# Allegro board RK_EVB7_RK3588_LP4XD200P232SD8_V11_20230111YWQ.brd (continued)
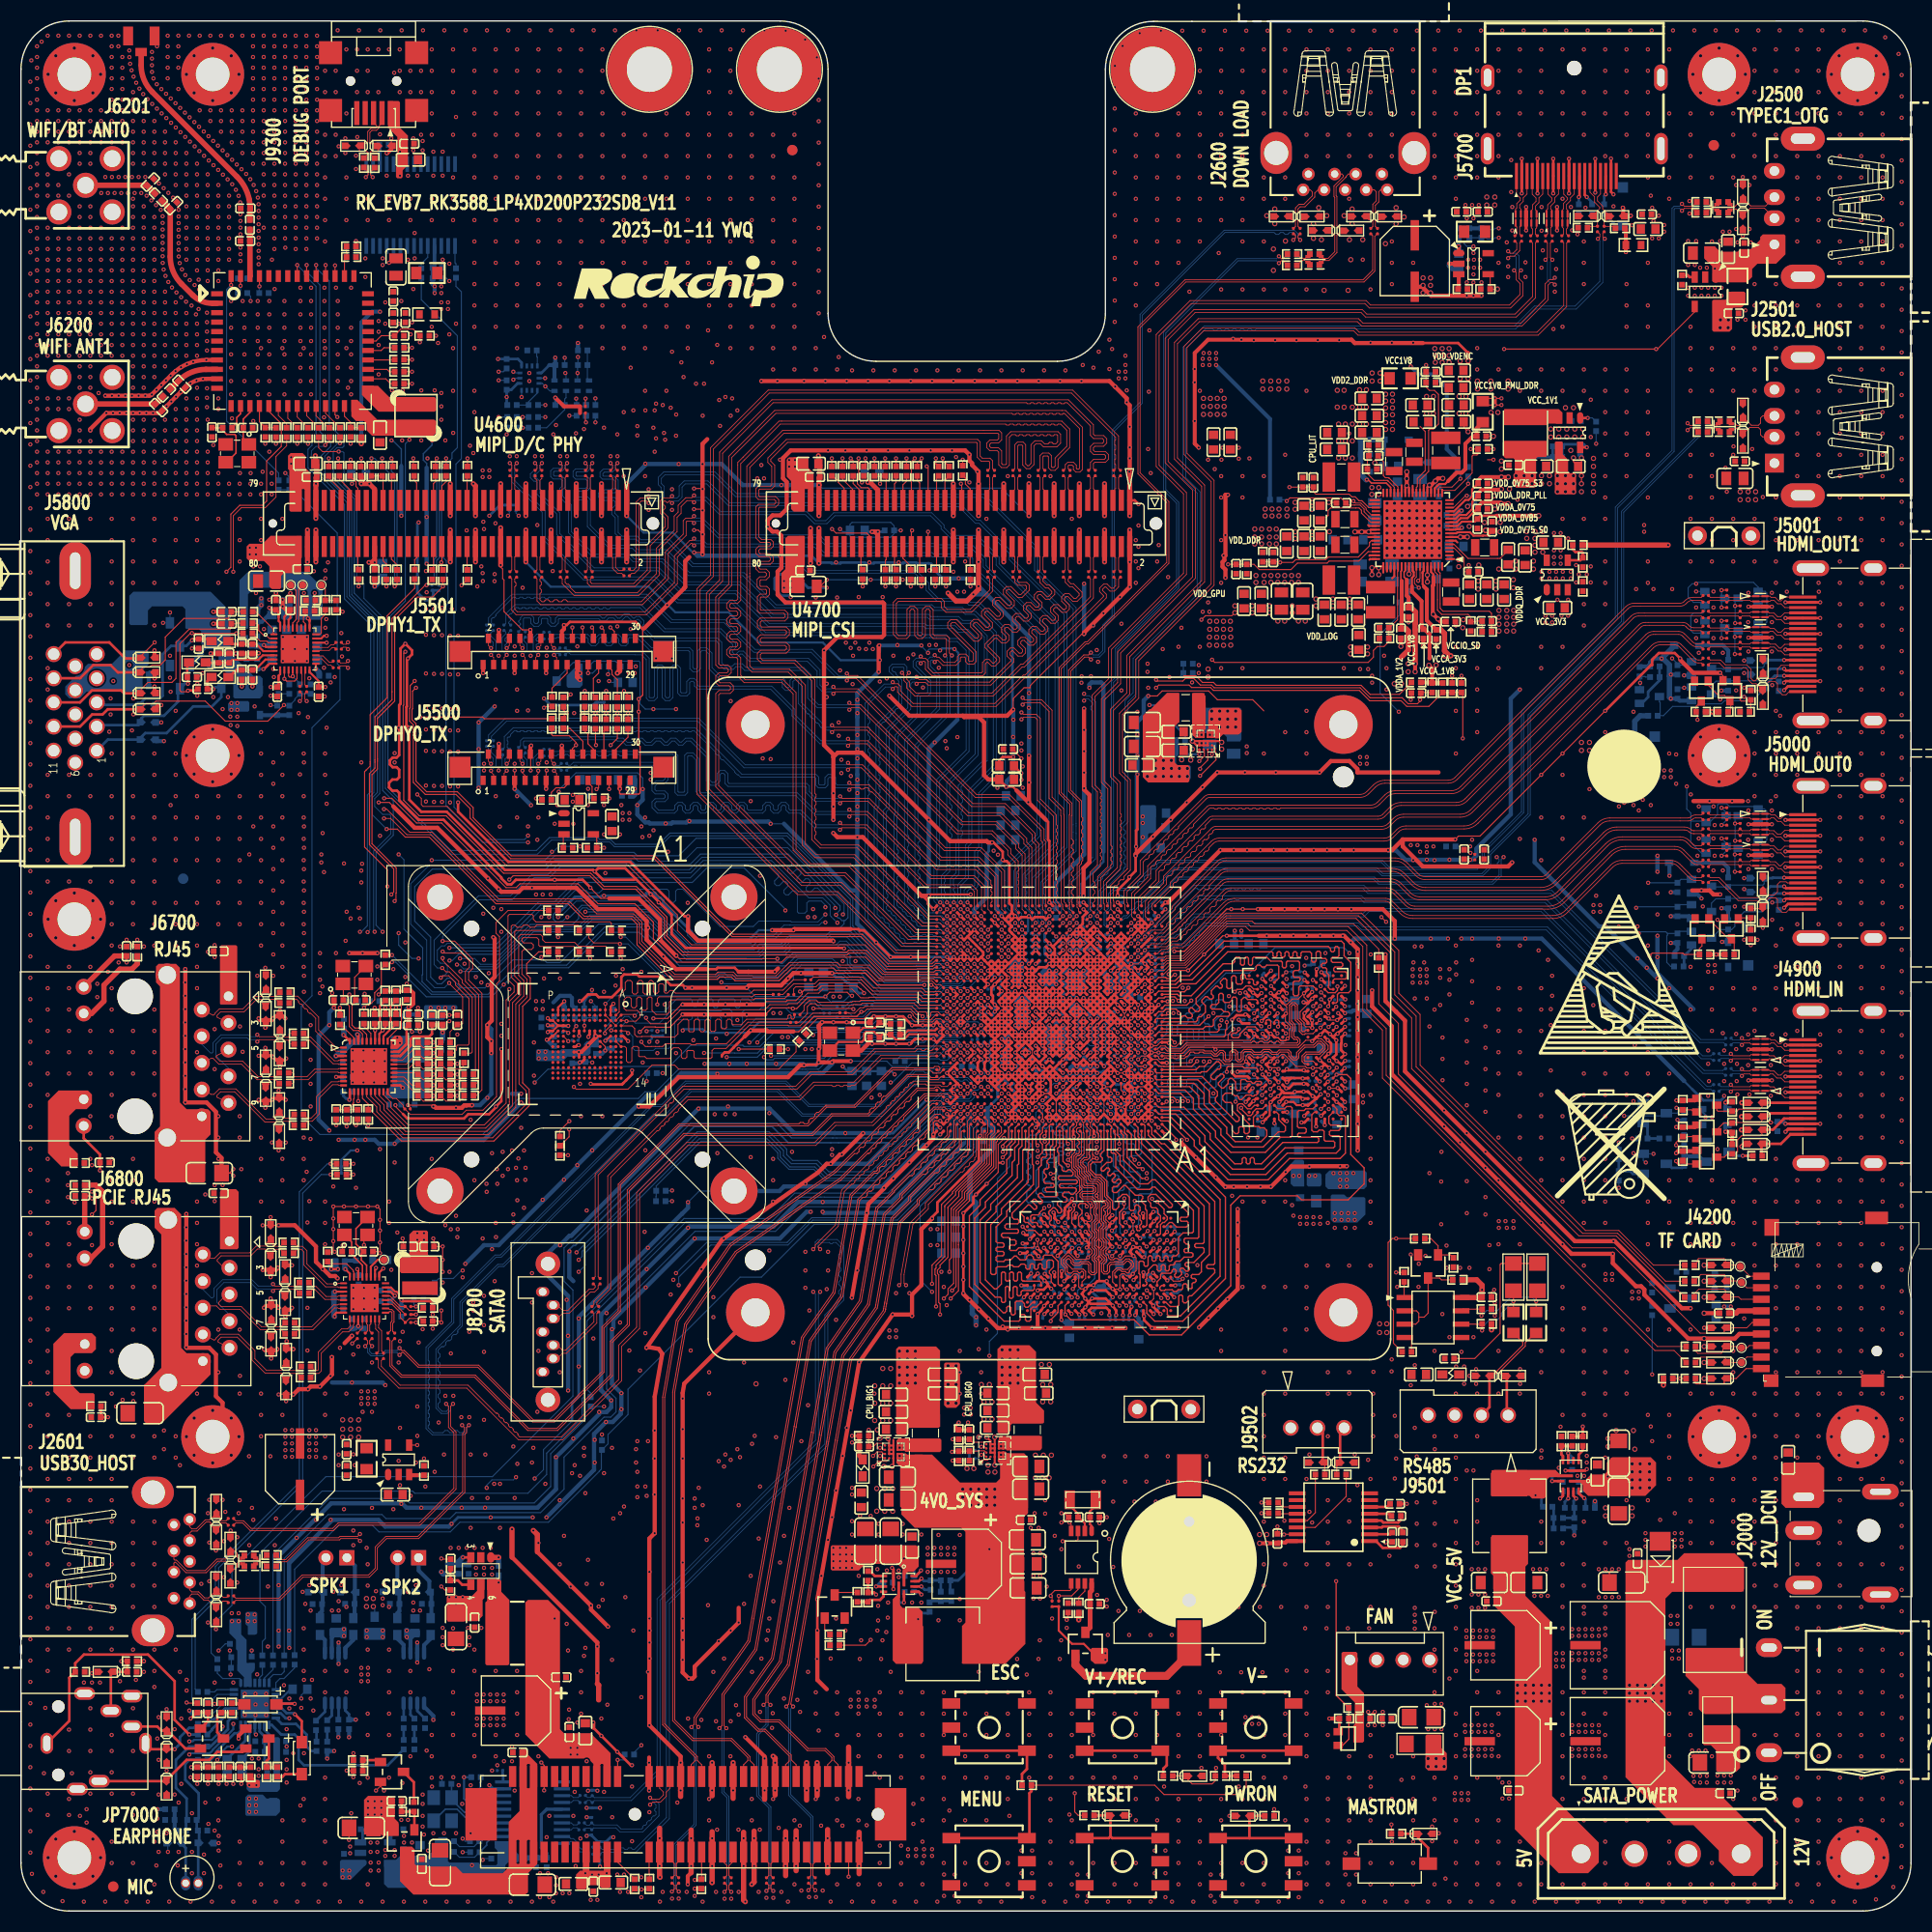
[diagram p0: board, top side]
## Routing (per net, layer and track width the routed paths; a pad name or vN(x,y) marks a point on that pad's centre or on a via; arc(x,y) is an arc through that point) (continued)
  TOP w0.508: 71.82,11.05 v1(71.82,11.48) U8100.A24 v1(71.82,14.13) 71.82,14.54 v1(71.63,14.73) ; 68.82,7.5 v1(68.82,6.93) U8100.B21 v1(68.82,4.28) 68.82,1.05 v1(68.98,0.89) ; 73.82,3.84 v1(73.82,4.28) U8100.B26 v1(73.82,6.93) 73.82,7.65 ; 65.82,7.54 v1(65.82,6.93) U8100.B18 v1(65.82,4.28) 65.82,2.72 v1(65.81,2.71) ; 60.82,7.88 v1(60.82,6.93) U8100.B13 v1(60.82,4.28) 60.82,3.25 v1(60.86,3.22) ; 72.82,7.56 v1(72.82,6.93) U8100.B25 v1(72.82,4.28) 72.82,3.37 ; v1(70.82,14.52) U8100.A23 v1(70.82,11.48) 70.82,10.63 ; 79.82,3.56 v1(79.82,4.28) U8100.B32 v1(79.82,6.93) 79.82,7.49 ; J5501.27 57.01,118.11 v1(56.79,117.9) ; 55.02,20.11 55.02,21.5 54.89,21.63 ; 49.17,34.2 49.17,35.85 v1(48.79,36.24) ; 75.82,10.99 v1(75.82,11.48) U8100.A28 v1(75.82,14.13) ; 74.82,10.57 v1(74.82,11.48) U8100.A27 v1(74.82,14.13) ; ED4902.2 v1(163.86,75.66) ; ED4903.2 v1(163.86,74.39) ; 78.82,15.61 v1(78.82,14.13) U8100.A31 v1(78.82,11.48) 78.82,10.89 ; 76.82,7.75 v1(76.82,6.93) U8100.B29 v1(76.82,4.28) 76.82,3.64 ; v1(62.82,14.13) U8100.A15 v1(62.82,11.48) 62.82,10.91 ; v1(67.82,14.13) U8100.A20 v1(67.82,11.48) 67.82,10.73 ; v1(46.76,36.36) 46.76,33.7 ; 65.82,10.97 v1(65.82,11.48) U8100.A18 v1(65.82,14.13) ; 69.82,7.61 v1(69.82,6.93) U8100.B22 v1(69.82,4.28) 69.82,2.76 v1(69.6,2.54) ; 63.82,7.7 v1(63.82,6.93) U8100.B16 v1(63.82,4.28) 63.82,3.64 ; v1(163.88,76.98) ED4901.2
  L2-GND1 w0.086: v1(115.47,83.99) 114.96,83.99 114.96,84.01 114.5,84.48 114.5,84.48 114.33,84.65 v1(114.33,84.83)
  L2-GND1 w0.089: 110.77,78.02 110.64,77.89 v1(110.64,77.13) 110.64,76.75 ; 126.54,82.46 v1(126.14,82.46)
  L2-GND1 w0.104: v1(127.3,82.59) 127.28,82.59 127.15,82.46 126.54,82.46 ; v1(127.3,82.59) v1(127.3,81.32) v1(127.3,80.05) v1(127.3,76.24) v1(127.3,74.97) v1(127.3,73.7) v1(127.3,72.43) 127.28,72.4 127.28,71.67 126.52,70.91 126.29,70.91 v1(126.26,70.93) v1(125.63,70.93) 125.53,71.03 122.83,71.03 v1(122.71,70.91) 120.98,70.91 v1(120.45,70.37) 119.06,68.98 v1(119.02,68.98) v1(118.04,68.98) v1(116.77,68.98) v1(115.5,68.98) 114.72,68.98 v1(114.7,68.96) 114.7,68.75 v1(115.34,68.11) 115.87,67.58 v1(115.87,66.84) v1(115.87,65.57) v1(115.87,64.3) v1(115.87,63.03) v1(115.87,61.76) v1(115.87,60.49) 115.87,59.22 115.82,59.17 115.8,59.17 v1(114.9,58.27) v1(114,57.37) v1(113.1,56.47) v1(112.2,55.58) 112.17,55.54 110.29,55.54 v1(110.26,55.51) v1(108.99,55.51) v1(107.72,55.51) 107.7,55.54 106.48,55.54 106.45,55.51 v1(105.18,55.51) v1(103.91,55.51) v1(102.64,55.51) v1(101.37,55.51) v1(98.83,55.51) v1(97.56,55.51) v1(96.29,55.51) ; v1(127.3,82.59) v1(127.3,83.86) v1(127.3,85.13) v1(127.3,86.4) v1(127.3,87.67) v1(127.3,88.94) v1(127.3,90.21) v1(127.3,91.35) 127.3,91.58 v1(126.64,92.24) 126.01,92.88 v1(125.88,92.88) v1(124.99,92.88) v1(123.72,92.88) v1(122.45,92.88) v1(121.18,92.88) v1(119.91,92.88) v1(118.64,92.88) v1(114.83,92.88) ; 93.62,55.54 v1(93.5,55.67) 92.86,55.67 v1(92.13,56.4) v1(91.23,57.3) v1(90.33,58.2) 89.76,58.77 89.76,58.83 v1(89.75,58.84) v1(89.75,60.11) v1(89.75,61.38) v1(89.75,62.65) v1(89.75,63.92) v1(89.75,65.19) v1(89.75,66.46) 89.76,66.47 89.76,67.05 v1(90.96,68.24) v1(91.97,69.26) ; 110.64,76.62 110.64,76.75 ; 34.44,75.37 35.94,75.37 35.94,75.37 36.31,75.73 36.31,76.97 36.53,76.75 v1(36.86,76.75)
  L3-POWER1 w0.102: 32.89,66.59 32.89,68.17 33.3,68.58 33.3,74.27 33.55,74.53 33.55,75.14 32.78,75.91 32.06,75.91 30.55,75.91 30.35,76.11 30.17,76.11 29.24,77.05 29.24,77.22 29.21,77.25 29.21,77.72 29.24,77.74 29.24,84.12 29.49,84.37 ; 59.96,114.47 59.96,130.48 58.86,131.58 58.86,132.53 59.36,133.04 59.21,133.2 59.21,134.89 59.72,135.4 v1(59.77,135.4) ; v1(42.95,76.75) 42.95,78.34 42.95,78.34 42.95,84.3 42.95,84.31 42.95,86.66 42.32,87.29 42.32,90.87 40.35,92.84 39.96,92.84 39.88,92.75 39.3,92.75 36.98,95.07 36.98,100.78 39.33,103.13 v1(39.33,105.63) ; 30,88.31 29.62,87.92 29.62,87.44 v1(29.64,87.42) ; v1(31.39,139.74) 31.39,138.88 30.93,138.41 30.93,138.02 30.76,137.86 30.76,128.99 32.79,126.96 32.79,111.25 33.32,110.72 33.32,108.67 32.53,107.88 32.53,104.83 30.76,103.06 30.76,100.85 v1(28.86,98.94) ; v1(38.63,128.31) 39.04,127.91 39.04,126.54 39.1,126.47 39.1,126.08 38.66,125.64 ; 33.99,59.2 33.99,51.49 34.41,51.06 ; v1(35.97,100.62) 36.22,100.37 36.22,94.76 39.27,91.71 39.27,88.53 41.02,86.78 41.33,86.78 41.43,86.78 42.19,86.02 42.19,83.99 42.19,83.99 42.19,78.65
  L3-POWER1 w0.104: v1(41.43,66.21) 39.9,67.73 U4000.HOLE4 ; 135.15,89.71 v1(135.16,89.7) ; v1(38.63,125.59) 38.63,125.62 38.66,125.64 ; 45.85,71.92 45.87,71.94 v1(45.87,72.3) ; 59.08,115.61 58.89,115.43 v1(58.83,115.43) ; 36.88,135.65 35.71,134.48 35.71,127.13 36.36,126.47 36.36,125.83 35.49,124.96 35.49,112.52 36.71,111.31 36.71,102.87 33.96,100.12 33.96,99.93 ; v1(49.61,138.55) v1(48.96,138.55) v1(47.21,138.55) v1(46.56,138.55) ; J9900.3 71.4,111.55 v1(71.4,109.71) ; 71.78,86.02 72.47,86.02 72.8,85.69 72.8,85.26 ; v1(33.05,67.1) 33.05,66.74 32.89,66.59 ; J9900.4 69.94,50.27 v2(70,50.21) ; v1(44.09,90.59) 44.55,90.13 v1(44.55,89.32) ; U4000.HOLE2 67.9,70.33 69.37,71.8 v1(69.49,71.8) ; 59.08,114.47 v1(58.83,114.21) ; 83.21,119.67 v1(83.08,119.55) ; v1(45.6,103.28) 45.62,103.28 45.62,103.04 46,102.66 46,96.82 46.13,96.69 46.13,96.02 46.13,96.02 46.13,91.35 46.51,90.98 v1(46.51,87.8) ; v1(45.68,132.88) v1(45.68,135.93) 45.87,135.93 ; 26.68,132.52 27.33,133.17 27.33,139.11 26.82,139.61 26.82,139.99 26.31,140.5 24.03,140.5 v1(23.27,139.74) ; v1(74.7,59.35) 74.83,59.35 74.96,59.48 76.48,59.48 v1(76.73,59.22) ; v1(48.29,103.29) 48.92,102.66 49.43,102.66 52.04,100.05 v1(52.04,94.66) ; U4000.HOLE3 39.9,99.29 v1(39.12,100.08) ; v1(47.64,74.59) 47.55,74.59 ; 59.96,114.47 v1(60.22,114.47) ; v1(34.06,146.34) v1(34.06,149.14) v1(34.06,150.41) ; v1(42.1,123.99) 42.1,123.99 ; 42.32,89.83 42.24,89.9 v1(42.24,90.21) ; 59.02,76.43 v1(58.83,76.62)
  L3-POWER1 w0.127: 61.41,86.62 60.48,87.54 60.48,90.46 59.84,91.1 59.84,101.26 60.74,102.16 60.74,105.31 v1(59.21,106.85) ; 61.4,88.02 61.4,90.62 61.18,90.85 v1(61.18,90.91)
  L3-POWER1 w0.203: 62.38,79.8 62.38,81.7 v1(62.38,81.7) ; 37.74,58.33 37.74,58.2 37.55,58 37.44,58 37.19,57.75 37.19,56.23 37.19,56.23 37.19,55.87 37.44,55.62 38.05,55.62 v1(38.25,55.41) ; v1(36.35,55.16) 36.35,57.74 36.38,57.78 36.4,57.78 36.65,58.03 36.65,58.04 37.08,58.48 37.08,59.76 35.97,60.87
  L3-POWER1 w0.254: 40.96,137.14 42.07,138.25 42.07,138.53 42.39,138.85 v1(43.08,138.85) ; 60.22,136.51 59.77,136.06 v1(59.77,135.4) ; v1(31.6,78.91) 31.39,78.91 30.63,78.15 30.63,77.13 31.14,76.62 31.88,76.62 31.9,76.6 32.34,76.6 32.36,76.62 33.05,76.62 34.35,75.31 34.35,74.35 34.19,74.19 v1(34.19,72.56) ; v1(32.41,138.34) 32.41,136.95 31.78,136.31 31.78,128.95 33.68,127.04 v1(33.68,126.15)
  L3-POWER1 w0.406: 46.76,72.43 46.76,77.13 45.75,78.15 v1(45.75,82.08) ; 46.76,72.43 v1(46.76,72.43) ; 46.76,72.43 46.76,71.78 46.74,71.76 46.74,71.18 v1(47.14,70.78) 47.26,70.78 47.9,71.43 v1(47.9,72.43) 47.9,74.23 47.55,74.59 47.55,76.91 v1(47.63,77) v1(47.63,77.83) 46.64,78.83 46.64,84.69 45.98,85.35 v1(45.98,88.22) 46.13,88.37 46.13,90.82 45.75,91.2 v1(45.75,93.26) 45.75,95.86 45.49,96.12 v1(45.49,97.32) 45.49,101.71 v1(41.62,105.58) v1(41.62,107.1) v1(41.62,110.4) v1(41.62,112.44) v1(41.62,114.47) v1(41.62,117.77) v1(41.62,121.45) 41.62,123.51 43.46,125.35 v1(43.46,126.15) 43.46,126.91 43.97,127.42 v1(43.97,127.42) ; v1(34.06,146.34) 34.06,143.42 31.39,140.76 v1(31.39,139.74) ; 34.63,59.85 35.38,59.85 35.97,60.44 35.97,60.87 35.8,61.04 35.8,61.28 34.43,62.65 v1(34.19,62.65) ; 34.63,59.85 34.18,59.85 v1(33.68,59.35) ; 34.63,59.85 33.68,58.9 v1(33.68,58.33) v1(33.68,57.32) ; 34.7,50.46 34.41,50.74 34.41,51.06 34.7,50.78 34.7,50.46 ; 34.7,50.46 v1(34.7,50.08) 34.7,38.39 ; v1(34.65,78.91) v1(34.65,79.92) v1(34.65,80.94) v1(34.65,81.96) ; 40.88,135.89 v1(40.88,132.88) v1(40.88,131.53) v1(40.88,128.48) 40.88,127.34 40.71,127.17 40.71,125.85 39.33,124.47 v1(39.33,123.99) v1(39.33,121.5) v1(39.33,117.82) v1(39.33,114.52) v1(39.33,112.49) v1(39.33,110.45) v1(39.33,107.15) v1(39.33,105.63) ; 40.88,135.89 v1(40.88,135.93) ; 40.88,135.89 41.14,135.89 43.08,137.84 v1(43.08,138.85) ; 43.97,90.59 44.02,90.65 v1(44.02,92.62) v1(44.02,94.98) 43.46,95.54 43.46,101.2 40.1,104.56 v1(40.1,105.63) v1(40.1,107.15) v1(40.1,110.45) v1(40.1,112.49) v1(40.1,114.52) v1(40.1,117.82) v1(40.1,121.5) 40.1,124.11 v1(40.11,124.12) 40.11,124.16 41.57,125.63 41.57,125.77 ; 43.97,90.59 v1(44.09,90.59) ; 43.97,90.59 44.45,90.11 v1(44.45,88.18) 44.45,85.87 43.9,85.32 43.9,77.95 v1(44.41,77.45) v1(45.24,76.62) 45.85,76.01 45.85,70.43 45.87,70.41 v1(45.87,70.02) 46.25,69.64 ; v1(59.97,107.76) 60.29,107.76 60.7,108.17 60.7,109.04 59.96,109.78 59.96,114.47 ; v1(33.68,126.15) 33.68,111.62 34.21,111.09 34.21,108.3 33.42,107.51 33.42,104.46 31.53,102.56 31.53,100.53 v1(30.76,99.77) 29.74,98.75 29.74,92.75 v1(31.27,91.23) 30.89,90.85 30.89,88.18 ; v1(42.95,76.75) 42.95,76.62 44.86,74.72 v1(44.86,72.18) 44.86,70.94 44.79,70.87 44.79,70.43 44.86,70.37 44.86,69.66 45.26,69.26 v1(45.36,69.26) ; 30.89,88.18 31.27,87.8 v1(31.27,87.29) ; 30.89,88.18 30.89,87.29 31.39,86.78 31.39,85 30.13,83.74 30.13,83.36 30.18,83.31 30.18,83.22 31.45,81.96 v1(31.6,81.96) v1(31.6,80.94) v1(31.6,79.92) v1(31.6,78.91) ; v1(76.86,61) 77.37,61 76.86,60.49 76.86,59.48 76.73,59.35 v1(76.73,59.22) ; v1(28.86,98.94) 28.86,92.37 v1(30,91.23) 30,86.92 30.38,86.54 ; 26.95,125.26 v1(26.95,125.52) 26.95,126.88 26.44,127.39 26.44,132.28 26.68,132.52 ; v1(132.74,26.9) 133.56,26.9 134.65,27.98 v1(134.65,28.49) v1(134.65,32.82) v1(134.65,34.85) v1(134.65,36.88) v1(134.65,38.91) v1(134.65,40.95) v1(134.65,43.98) 134.65,43.98 132.74,45.89 v1(132.74,46.01) ; 59.08,114.47 59.08,130.42 58.19,131.31 58.19,132.81 58.57,133.19 58.57,140.4 v1(58.7,140.53) v1(58.7,141.42) 58.7,142.54 v1(58.32,142.92) ; 62.38,79.8 58.38,75.8 58.38,73.18 ; 30.38,86.54 v1(30.38,86.02) ; 30.38,86.54 30.5,86.41 30.5,85.38 29.49,84.37 v1(29.36,84.37) ; 43.21,90.59 43.21,91.1 40.03,94.27 40.03,96.44 U4000.HOLE3 ; 32.89,66.59 32.89,64.68 33.91,63.67 v1(34.19,63.67) ; v1(139.85,61.13) v1(139.85,63.41) 139.85,63.79 139.47,64.18 v1(139.47,66.33) v1(139.47,67.99) v1(139.47,70.78) v1(139.47,72.3) v1(139.47,76.11) v1(139.47,78.15) v1(139.47,80.18) v1(139.47,82.21) v1(139.47,84.24) 139.46,84.25 139.46,84.44 140.01,84.99 140.01,97.48 141.76,99.23 ; 37.74,58.33 37.74,61.29 37.36,61.68 36.35,62.68 36.31,62.68 v1(34.19,64.81) ; 38.66,125.64 38.66,125.49 38.57,125.4 v1(38.57,123.99) v1(38.57,121.54) v1(38.57,117.86) v1(38.57,114.56) v1(38.57,112.53) v1(38.57,110.49) v1(38.57,107.19) v1(38.57,105.67) 38.57,103.45 35.97,100.85 v1(35.97,100.62) ; 40.96,137.14 40.03,136.22 40.03,135.55 38.63,134.15 v1(38.63,132.76) ; v1(77.11,71.16) 76.35,70.4 v1(76.35,67.53) v1(76.35,66.59) ; 60.22,136.51 60.22,137.08 v1(59.46,137.84) 59.46,141.1 59.46,141.1 59.46,142.16 60.22,142.92 v1(60.35,142.92) ; v1(142.01,99.86) 142.01,100.37 141.95,100.43 141.95,100.68 141.51,101.12 140.38,101.12 139.79,100.53 139.79,99.67 138.3,98.18 138.3,98.15 138.2,98.05 v1(138.2,92.61) v1(138.2,90.58) v1(138.2,88.55) v1(138.2,86.51) 138.2,85.89 137.69,85.38 v1(137.69,84.86) v1(137.69,82.83) v1(137.69,80.8) v1(137.69,78.77) v1(137.69,76.74) v1(137.69,74.08) 137.69,73.83 v1(137.06,73.19) 137.69,72.56 v1(137.69,69.51) v1(137.69,66.46) 137.69,62.52 138.07,62.14 137.71,61.78 137.08,61.78 137.02,61.72 136.86,61.72 136.59,61.45 136.59,61.29 135.74,60.44 135.74,58.63 135.74,57.73 135.37,57.36 v1(135.37,56.85) ; v1(130.99,45.23) v1(132.93,43.29) v1(132.93,40.95) v1(132.93,38.91) v1(132.93,36.88) v1(132.93,34.85) v1(132.93,32.82) 132.74,32.63 v1(132.74,28.87) ; v1(45.75,84.5) 45.21,85.03 45.21,88.54 45.36,88.69 45.36,90.5 44.98,90.88 v1(44.98,92.73) v1(44.98,95.54) 44.45,96.08 44.45,101.48 40.86,105.07 v1(40.86,105.58) v1(40.86,107.1) v1(40.86,110.4) v1(40.86,112.44) v1(40.86,114.47) v1(40.86,117.77) v1(40.86,121.45) 40.86,123.83 v1(41.03,124.01) 42.49,125.46 42.49,130.51 43.28,131.31 v1(43.28,131.53) v1(43.28,132.88)
  L5-POWER2 w0.089: v1(95.99,77.2) v1(97.29,78.5) ; v1(95.99,77.2) 96.33,76.86 ; v1(95.99,77.2) v1(95.34,76.55) ; v1(103.79,83.05) v1(103.79,83.7) 103.79,84.25 104.55,85 v1(105.09,85) v1(105.74,85) 105.74,85.06 106.34,85.65 v1(106.39,85.65) v1(107.04,85.65) ; v1(98.59,79.15) v1(99.24,79.15) v1(99.89,79.15) ; v1(107.04,89.55) v1(107.04,88.9) v1(106.39,88.25) 105.94,87.8 105.94,86.75 v1(106.39,86.3) ; v1(102.49,79.15) 103.79,80.45
  L6-S2 w0.086: v1(104.44,83.05) 104.77,82.73 U1000.P6 v1(105.74,82.4) ; v1(124.23,91.23) 124.23,90.97 124.87,90.34 124.87,87.03 124.74,86.9 ; 106.07,75.58 106.07,76.88 v1(105.74,77.2) 106.07,77.53 v1(106.39,77.85) 106.72,77.53 107.37,77.53 v1(107.69,77.2) ; 106.07,75.58 U1000.C5 v1(106.39,75.25) ; 106.07,75.58 v1(105.74,75.25) ; 112.04,71.92 v1(111.89,71.77) ; v1(103.14,78.5) 102.91,78.27 102.72,78.27 102.63,78.18 102.36,78.18 102.27,78.27 102.13,78.27 101.9,78.5 v1(101.84,78.5) ; v1(105.74,84.35) v1(106.39,85)
  L6-S2 w0.089: 109.48,84.83 109.44,84.83 109.43,84.83 108.52,84.83 v1(107.69,85.65) ; 109.48,87.75 109.19,87.75 108.2,86.76 106.59,86.76 106.39,86.95 ; v1(106.39,85.65) v1(107.04,85.65) v1(106.39,85) ; v1(106.39,85.65) v1(106.39,86.3) 106.39,86.95 ; v1(106.39,85.65) v1(106.39,85) ; v1(104.44,83.05) v1(103.79,83.05) v1(103.79,83.7) v1(104.44,84.35) v1(105.09,84.35) ; 106.39,74.59 106.52,74.46 106.96,74.46 108.21,73.21 ; 106.39,74.59 v1(106.39,75.25) ; 106.39,74.59 105.74,75.24 v1(105.74,75.25) ; v1(107.69,75.9) 108.19,75.9 109.48,74.61 ; v1(97.29,77.85) v1(96.64,77.2) v1(95.99,77.2) v1(95.34,76.55) v1(94.69,75.9) v1(94.69,75.25) 94.69,74.77 94.27,74.35 94.27,74.27 v1(93.62,73.62) ; v1(97.29,77.85) v1(97.29,78.5) ; v1(97.29,77.85) 97.29,77.78 97.94,77.13 v1(97.94,76.55) v1(97.94,75.9) v1(97.94,75.25) 97.94,73.47 97.76,73.28 v1(97.51,73.28) ; 109.48,89.74 109.29,89.55 v1(109.29,89.22) 109,88.92 108.29,88.92 108.28,88.9 v1(107.69,88.9) v1(107.04,88.9) v1(106.39,88.25) U1000.AB5 106.07,87.17 106.28,86.95 106.39,86.95 ; 89.96,73.47 91.44,74.95 v1(91.44,75.25) ; v1(105.74,79.8) v1(104.44,79.8) v1(103.79,79.8) 103.79,78.91 ; v1(105.74,79.8) v1(105.09,79.8) ; v1(105.74,79.8) v1(105.74,80.45) v1(106.39,81.1) v1(105.74,81.75) v1(105.74,82.4) ; v1(107.69,79.15) 109.48,79.15 ; v1(104.44,76.55) 104.44,76.47 104.93,75.99 104.93,75.03 106.26,73.7 106.48,73.7 106.83,73.35 ; v1(94.04,75.9) v1(94.04,75.25) 94.01,75.22 94.01,74.75 93.37,74.11 ; v1(99.24,79.15) 98.92,78.83 98.92,78.18 v1(99.24,77.85) v1(99.24,77.2) 98.83,76.79 98.83,75.66 v1(99.24,75.25) 99.24,73.47 ; v1(99.24,79.15) v1(99.89,79.15) v1(100.54,79.15) ; v1(99.24,79.15) v1(98.59,79.15) ; 109.48,75.65 108.25,76.88 108.02,76.88 v1(107.69,77.2) ; v1(90.79,94.75) 91.19,95.15 91.19,96.28 ; v1(105.09,84.35) v1(105.74,85) v1(106.39,85) ; v1(105.09,84.35) v1(105.74,84.35) ; v1(112.67,91.1) 113.16,91.58 ; v1(96.64,75.25) 96.29,74.9 96.29,74.21 95.91,73.83 95.91,73.47 ; 103.79,78.91 104.43,78.27 105.32,78.27 v1(105.74,77.85) v1(106.39,77.85) 106.39,78.09 106.68,78.38 109.48,78.38 ; 103.79,78.91 103.39,78.5 v1(103.14,78.5) ; v1(95.34,75.25) 95.34,74.66 95.02,74.34 95.02,73.47 ; 122.5,90.77 122.89,90.77 123.84,89.82 v1(123.84,89.4) ; 88.82,73.47 89,73.47 v1(90.79,75.25) ; v1(91.34,73.83) 91.3,73.83 90.94,73.47 ; 105.42,73.47 103.86,75.02 103.86,75.25 v1(103.79,75.25) ; v1(107.69,87.6) 108.55,88.46 109.48,88.46 ; v1(107.69,84.35) 107.99,84.35 108.22,84.12 109.43,84.12 109.44,84.11 109.48,84.11
  L6-S2 w0.102: 98.48,64.31 98.09,63.92 v1(98.07,63.92) 98.07,63.95 97.71,64.3 97.41,64.3 97.05,64.66 97.05,65.08 v1(97.47,65.5) 97.47,65.79 98.21,66.52 v1(98.33,66.52) 98.33,66.6 97.94,66.99 97.94,67.12 v1(97.92,67.15) 97.84,67.22 97.79,67.22 97.69,67.33 97.69,69.31 97.92,69.54 98.1,69.54 v1(98.32,69.76) 98.55,69.99 98.55,70.47 98.29,70.74 98.29,72.47 98.07,72.68 98.07,73.34 97.94,73.47 ; 98.48,64.31 98.48,65.22 98.78,65.52 v1(98.78,65.62) 98.88,65.62 99.22,65.96 99.22,73.44 99.24,73.47 ; 98.48,64.31 99.03,64.31 v1(99.36,63.97) 99.36,63.77 98.85,63.25 98.85,63.25 98.74,63.15 v1(98.71,63.15) 98.69,63.13 98.69,63.1 97.48,61.89 96.8,61.89 ; 110.15,63.67 110.15,70.02 109.56,70.62 ; 110.15,63.67 110.03,63.54 108.86,63.54 108.48,63.16 v1(108.45,63.16) 107.82,62.52 107.34,62.52 106.71,63.15 v1(106.55,63.15) ; 110.15,63.67 110.15,62.93 108.2,60.98 108.2,59.48 107.98,59.25 v1(107.87,59.25) 107.65,59.48 106.96,59.48 106.63,59.15 v1(106.63,58.36) 106.63,58.28 106.83,58.08 107.34,58.08 107.59,58.33 108.03,58.33 108.81,59.12 108.81,60.57 110.76,62.52 110.76,70.66 108.21,73.21 ; 94.87,60.52 95.13,60.78 95.28,60.78 95.38,60.68 95.38,60.15 96.18,59.35 ; 94.87,60.52 96.04,59.35 96.18,59.35 ; 94.87,60.52 94.23,60.52 93.88,60.87 93.88,70.53 94.26,70.91 94.26,72.05 95.02,72.81 95.02,73.47 ; 94.77,63.26 94.59,63.08 94.59,62.04 94.69,61.94 94.84,61.94 95.3,62.4 95.4,62.4 ; 94.77,63.26 94.77,63.03 v1(95.15,62.65) 95.4,62.4 ; 94.77,63.26 94.64,63.39 94.64,70.4 95.02,70.78 95.02,71.8 95.91,72.68 95.91,73.47 ; 105.42,73.47 106.01,72.88 106.44,72.88 108.61,70.7 108.61,66.33 107.97,65.69 v1(107.91,65.69) ; 95.4,62.4 96.29,62.4 96.8,61.89 ; v1(56.79,122.34) 56.41,122.72 52.12,122.72 51.87,122.47 v1(51.71,122.47) ; 109.48,84.83 113.24,84.83 113.56,85.16 v1(113.56,85.51) 114.25,86.2 115.04,86.2 v1(115.09,86.15) 115.09,87.09 v1(115.04,87.14) 115.09,87.19 115.87,87.19 v1(116.1,87.42) 116.38,87.14 116.84,87.14 117.16,87.45 v1(117.34,87.45) ; v1(79.24,119.55) 79.09,119.7 68.38,119.7 63.6,124.49 61.66,124.49 v1(61.54,124.37) ; 109.48,88.46 110.03,88.46 v1(111.15,89.58) 113.16,91.58 123.88,91.58 v1(124.23,91.23) ; 96.18,59.35 96.57,59.35 v1(96.82,59.1) 97.13,58.79 97.13,58.26 97.31,58.08 98.32,58.08 98.48,58.23 98.48,58.9 v1(98.11,59.26) 98.11,59.42 v1(97.49,60.04) 97.42,60.11 96.53,60.11 96.19,60.45 v1(96.19,60.72) 96.19,61.28 96.8,61.89 ; 124.74,86.9 v1(124.64,86.8) ; 109.48,74.61 109.63,74.46 111.15,74.46 112.09,73.52 116.71,73.52 v1(116.87,73.68) v1(117.75,73.68) 122.3,73.68 122.83,74.21 122.83,74.72 123.22,75.1 123.22,76.62 123.34,76.75 124.2,76.75 124.56,76.39 v1(124.56,76.37) 125.24,77.05 v1(125.29,77.05) 124.87,77.48 124.87,78.1 v1(124.59,78.38) 124.37,78.38 v1(123.78,77.79) 123.68,77.79 123.66,77.76 123.17,77.76 v1(123.02,77.61) 122.58,77.17 122.58,75.48 122.2,75.1 v1(121.95,75.1) 121.29,74.44 117.14,74.44 116.87,74.72 111.79,74.72 111.36,75.14 109.99,75.14 109.48,75.65 ; v1(117.37,77.13) 117.09,77.41 116,77.41 v1(115.67,77.08) 115.57,77.08 115.04,77.61 114.48,77.61 114.2,77.89 113.59,77.89 v1(113.56,77.87) 113.54,77.89 113.06,77.89 112.57,78.38 109.48,78.38 ; 109.48,84.11 113.44,84.11 114.03,84.71 114.22,84.71 114.33,84.81 v1(114.33,84.83) 114.33,84.9 114.43,85 115.21,85 v1(115.34,84.88) 116.1,85.64 116.1,86.27 116.33,86.5 116.94,86.5 117.25,86.2 v1(117.3,86.2) ; 106.83,73.35 109.56,70.62 ; 109.56,70.62 109.56,66.14 108.48,65.06 108.48,64.73 108.56,64.73 108.97,64.33 109.5,64.33 v1(109.87,64.7) ; 109.48,87.75 109.51,87.77 110.49,87.77 v1(110.64,87.92) 113.67,90.95 122.22,90.95 v1(122.4,90.77) 122.5,90.77 ; v1(117.29,78.35) 116.96,78.02 116.5,78.02 116.12,78.4 v1(115.21,78.4) 115.21,78.78 114.84,79.15 109.48,79.15 ; v1(77.88,111.93) 78.38,112.44 78.93,112.44 79.36,112 v1(79.65,112) ; v1(111.89,71.77) 111.94,71.77 112.04,71.67 v1(112.04,61.51) ; v1(81.79,117.09) 81.79,116.69 82.7,115.78 v1(82.7,115.74) 83.21,115.74 83.26,115.68 87.09,115.68 89.37,117.96
  L6-S2 w0.104: v1(77.24,89.32) v1(74.28,89.32) 74.15,89.19 73.43,89.19 v1(73.05,88.81) ; v1(127.3,74.97) 124.38,72.05 112.17,72.05 112.04,71.92 ; v1(127.3,74.97) v1(127.3,73.7) v1(127.3,72.43) ; v1(127.3,74.97) v1(127.3,76.24) v1(127.3,80.05) v1(127.3,81.32) v1(127.3,82.59) v1(127.3,83.86) v1(127.3,85.13) v1(127.3,86.4) v1(127.3,87.67) v1(127.3,88.94) v1(127.3,90.21) v1(127.3,91.35) 127.28,91.35 126.64,91.99 v1(126.64,92.24) 126.39,92.24 125.88,92.75 v1(125.88,92.88) v1(124.99,92.88) v1(123.72,92.88) v1(122.45,92.88) v1(121.18,92.88) v1(119.91,92.88) v1(118.64,92.88) v1(114.83,92.88) 112.93,92.88 110.26,90.21 109.99,90.21 109.66,89.89 109.62,89.89 109.48,89.74 ; v1(23.88,136.95) 24.84,137.91 24.84,139.68 28.03,142.87 40.98,142.87 41.74,143.63 48.79,143.63 49.31,143.1 49.31,142.37 50.16,141.52 v1(50.95,141.52) 53.24,141.52 v1(53.62,141.14) 54.59,141.14 54.76,140.96 55.22,140.96 ; 52.86,140.76 53.11,140.5 56.67,140.5 v1(56.79,140.63) 58.6,140.63 v1(58.7,140.53) 58.98,140.25 v1(60.48,140.25) 60.48,140.54 61.08,141.15 62.76,141.15 63.27,140.63 66.19,140.63 66.22,140.6 87.31,140.6 88.67,139.23 v1(88.67,139.11) ; 52.86,140.76 v1(52.86,140.74) ; 52.86,140.76 52.73,140.63 v1(50.7,140.63) 50.39,140.63 47.92,143.1 41.87,143.1 41.17,142.41 33.05,142.41 31.01,140.38 26.41,140.38 25.35,139.31 25.35,137.68 25.57,137.46 26.89,137.46 v1(28.03,138.6) ; v1(67.59,142.41) 67.93,142.06 67.93,142.03 ; v1(26.44,114.09) 26.13,114.09 26.06,114.15 25.74,114.15 25.55,114.34 25.55,115.23 26.44,116.12 29.24,116.12 29.87,116.75 29.87,117.52 v1(29.88,117.52) ; v1(50.06,109.39) v1(50.06,108.63) ; 90.94,73.47 90.78,73.31 ; 55.22,140.96 v1(55.52,141.26) 55.61,141.35 55.97,141.35 ; 55.22,140.96 55.59,140.96 55.97,141.35 ; 53.61,86.65 v1(53.21,86.65) ; 53.61,86.65 53.62,86.65 54.07,87.11 54.47,87.11 54.73,86.84 54.73,86.68 55.47,85.94 56.5,85.94 56.86,86.3 59.69,86.3 60.22,85.77 v1(60.22,85) 59.83,84.61 59.34,84.61 58.91,85.05 58.91,85.45 58.64,85.71 57.38,85.71 57.02,85.36 54.91,85.36 53.61,86.65 ; 50.7,67.69 49.72,67.69 v1(49.68,67.73) ; v1(62.4,142.52) 62.38,142.52 62.38,142.53 ; 52.98,70.78 v1(52.98,71.03) ; 55.97,141.35 58.06,141.35 58.14,141.42 v1(58.7,141.42) 59.14,141.42 59.21,141.35 60.14,141.35 ; v1(113.06,138.22) 111.4,138.22 110.52,137.33 105.44,137.33 ; 67.93,142.03 67.36,142.6 66.72,142.6 65.96,142.6 65.68,142.88 62.73,142.88 62.38,142.53 ; 67.93,142.03 90.64,142.03 v1(96.01,136.65) ; v1(112.04,61.51) 112.04,59.1 110.26,57.32 108.99,57.32 v1(108.52,56.85) ; 49.04,38.4 v1(44.19,38.4) v1(41.96,38.4) v1(38.13,38.4) 36.59,38.4 v1(36.22,38.78) ; v1(53.87,66.72) 54.13,66.97 54.13,67.69 ; 87.66,72.3 88.82,73.47 ; v1(90.32,138.7) 90.32,138.85 88.11,141.06 66.42,141.06 66.34,141.14 63.42,141.14 62.93,141.62 60.9,141.62 60.89,141.61 60.41,141.61 60.14,141.35 ; 82.58,27.48 82.55,27.5 v1(82.55,27.94) ; v1(30.51,121.71) 31.78,121.71 35.66,125.59 v1(38.63,125.59) 42.01,125.59 42.57,126.15 v1(43.46,126.15) 43.59,126.02 v1(47.78,126.02) 48.16,126.02 48.41,126.28 57.81,126.28 58.74,125.35 59.85,125.35 60.06,125.14 60.83,124.37 v1(61.54,124.37) ; 60.14,141.35 v1(60.22,141.26) ; v1(75.99,128.36) v1(75.19,128.36) 72.71,128.36 70.73,126.37 62.85,126.37 62.71,126.51 59.66,126.51 v1(57.68,128.48) ; 62.38,142.53 62.26,142.41 60.71,142.41 60.6,142.31 58.8,142.31 58.32,142.79 v1(58.32,142.92) ; v1(74.7,69.26) 74.8,69.26 ; 89.96,73.47 89.94,73.45 89.81,73.45 87.53,71.16 ; 105.44,137.33 105.05,137.33 101.24,141.14 92.54,141.14 91.19,142.49 68.65,142.49 v1(68.22,142.92) 68.08,143.06 66.53,143.06 66.15,143.06 65.87,143.34 62.05,143.34 v1(61.87,143.17) 61.62,142.92 v1(60.35,142.92) ; 105.44,137.33 105.56,137.2 v1(105.56,137.07) ; v1(76.35,66.59) 76.29,66.65 75.27,66.65 v1(75.21,66.59) ; v1(78.64,84.64) v1(77.37,84.64) v1(76.3,84.64) ; v2(139.38,132.25) 138.31,132.25 v2(137.92,131.87) ; v1(81.81,135.93) 81.05,136.69 71.53,136.69 71.25,136.97 65.75,136.97 v1(64.91,137.81) ; 73.43,72.29 v1(73.43,72.3) ; 50.04,37.4 v1(50.04,37.49) ; 68.35,27.85 v1(68.35,27.47) ; v1(35.59,109.39) v1(32.41,109.39) ; 90.07,99.23 91.19,98.11 91.19,96.28
  L6-S2 w0.127: 86.39,73.07 86.73,73.07 87.66,73.07 89.49,74.9 v1(89.49,75.25)
  L6-S2 w0.152: v1(89.05,138.47) 89.05,137.58 87.4,135.93 87.4,131.8 85.56,129.96 70.77,129.96 68.17,127.37 63.27,127.37 63.13,127.51 60.28,127.51 57.06,130.73 44.09,130.73 v1(43.28,131.53) ; v1(40.88,131.53) 42.45,129.96 57.11,129.96 60.07,127 62.92,127 63.05,126.86 70.07,126.86 v1(72.29,129.07) ; v1(79.65,112) 93.42,112 93.61,111.82 v1(94.49,111.82)
  L6-S2 w0.203: 58.57,120.56 v1(56.79,122.34)
  L6-S2 w0.254: v1(43.28,131.53) 42.82,131.99 42.14,131.99 41.94,131.79 41.94,131.78 41.68,131.53 v1(40.88,131.53) ; 92.1,65.54 91.97,65.67 v1(91.97,69.26) 91.97,72.09 92.16,72.28 92.16,72.31 93.2,73.35 93.2,73.94 93.37,74.11 ; 88.14,81.7 v1(88.19,81.75) ; v1(99.89,75.25) 99.89,75.25 v1(99.89,75.9) v1(99.89,76.55) 99.89,77.2 v1(99.89,77.2) v1(99.89,77.85) ; 27.58,113.71 v1(27.33,113.71) ; v1(87.38,27.69) 86.98,27.69 86.64,27.35 85.65,27.35 85.63,27.33 82.72,27.33 82.58,27.48
  L6-S2 w0.305: v1(96.29,55.51) 96.19,55.51 92.1,59.6 92.1,65.54 ; v1(47.9,72.43) 49.12,72.43 49.38,72.68 54.16,72.68 v1(54.4,72.45) ; v1(101.75,116.5) 98.24,116.5 96.78,117.96 89.37,117.96
  L6-S2 w0.406: v1(75.21,66.59) 74.87,66.59 74.81,66.65 73.24,66.65 72.2,65.61 64.07,65.61 v1(63.53,65.06) 62.17,65.06 58.49,68.75 45.87,68.75 v1(45.36,69.26) ; 27.58,113.71 29.62,113.71 v1(36.6,120.69) ; v1(33.43,38.39) 34.32,37.51 44.71,37.51 v1(44.73,37.49) 44.75,37.51 48.72,37.51 v1(48.73,37.49) 48.73,37.48 50.13,36.08 50.13,34.9 v1(53.87,31.16) v1(55.4,29.63) v1(58.32,26.71) v1(59.85,26.71) v1(63.02,26.71) v1(67.59,26.71) v1(71.15,26.71) v1(75.84,26.71) v1(78.51,26.71) v1(81.56,26.71) 82.26,26.71 v1(82.41,26.56) 87.63,26.56 87.99,26.92 99.33,26.92 99.37,26.96 v1(99.59,26.96) ; v1(81.05,82.59) v1(82.32,82.59) v1(83.34,82.59) 84.23,81.7 88.14,81.7 ; 80.54,66.59 76.86,66.59 76.86,66.59 v1(76.35,66.59) ; 80.54,66.59 v1(80.54,66.49) ; 80.54,66.59 80.62,66.66 82.9,66.66 87.4,71.16 87.53,71.16 ; v1(44.35,68.49) 44.73,68.11 45.04,68.11 45.18,67.98 46.98,67.98 v1(47.27,67.69) 58.25,67.69 61.89,64.05 v1(64.16,64.05) v1(66.94,64.05) 67.74,64.85 72.97,64.85 73.84,65.72 83.19,65.72 90.78,73.31 ; 87.66,72.3 87.15,72.3 82.32,67.48 76.41,67.48 v1(76.35,67.53) 76.3,67.48 71.72,67.48 v1(71.63,67.56) 68.91,67.56 U4000.HOLE2 66.83,69.64 v1(51.71,69.64) v1(48.03,69.64) ; 58.57,120.56 61.87,120.56 66.7,115.74 71.02,115.74 75.21,111.55 77.5,111.55 v1(77.88,111.93) ; 90.07,99.23 89.43,99.86 76.64,99.86 74.48,102.02 62.45,102.02 61.84,101.41 59.92,101.41 59.72,101.21 59.72,100.19 59.92,99.99 75.43,99.99 76.58,98.85 88.42,98.85 v1(90.45,96.81) ; v1(86.89,73.95) 86.1,73.95 81.79,69.64 76.08,69.64 72.02,73.7 62.61,73.7 61.36,72.45 v1(59.46,72.45) v1(54.4,72.45) ; v1(57.68,128.48) v1(55.28,128.48) v1(52.88,128.48) v1(50.48,128.48) ; v1(87.38,27.69) v1(89.41,27.69) 93.47,27.69 ; v1(45.51,122.01) v1(48.51,122.01) 51.31,122.01 51.71,122.42 v1(51.71,122.47) ; 82.58,27.48 81.82,27.48 v1(81.63,27.67) 79.33,27.67 79.15,27.85 v1(77.62,27.85) v1(71.27,27.85) v1(63.02,27.85) v1(59.85,27.85) 59.59,27.85 v1(57.56,29.89) v1(54,33.44) v1(51.71,35.73) 49.04,38.4 ; 86.39,73.07 v1(86.26,72.94) v1(84.61,71.29) v1(83.08,69.76) v1(82.19,68.87) 81.68,68.36 75.69,68.36 71.11,72.94 63.18,72.94 61.02,70.78 v1(48.05,70.78) ; v2(128.93,137.92) 129.73,138.72 136.42,138.72 138.46,136.69 138.46,135.8 138.04,135.39 137.09,135.39 136.42,136.06 136.42,136.82 135.53,137.71 130.07,137.71 129.44,137.07 119.15,137.07 118.89,137.33 v1(113.69,137.33) 112.04,135.68 105.85,135.68 v1(105.59,135.93) ; v1(101.75,116.5) 102.01,116.25 102.01,115.1 101.42,114.52 v1(101.24,114.52) 100.15,114.52 97.45,111.82 v1(96.04,111.82) v1(94.49,111.82) ; v1(88.79,128.48) 88.08,129.2 73.56,129.2 73.43,129.07 v1(72.29,129.07) ; v1(79.24,119.55) 80.64,118.15 80.73,118.15 v1(81.79,117.09) ; v1(77.24,80.83) 77.17,80.83 76.19,79.86 75.05,79.86 73.23,78.04 55,78.04 v1(54.26,78.78) 58.57,78.78 59.3,79.51 59.31,79.51 59.37,79.56 59.81,79.56 59.86,79.51 59.88,79.51 60.48,78.91 72.92,78.91 v1(74.57,80.56) 74.85,80.83 v1(75.97,80.83) ; v1(79.65,61) v1(76.86,61) v1(74.7,61) 74.03,60.33 74.03,58.24 v1(75.08,57.19) 75.46,56.81 77.52,56.81 v1(79.13,58.42) 79.55,58.84 v1(83.34,58.84) v1(84.61,58.84) 85.12,59.35 85.12,60.37 83.97,61.51 80.16,61.51 v1(79.65,61)
  L6-S2 w0.508: SMTSO0.1 104.17,171.8 v1(104.17,171.66) v1(104.17,169.63) v1(104.17,167.6) v1(104.17,165.57) v1(104.17,163.54) v1(104.17,161.5) v1(104.17,159.47) v1(104.17,157.44) v1(104.17,155.41) v1(104.17,153.38) v1(104.17,151.34) 104.17,150.15 v1(103.66,149.65) 103.66,149.52 v1(102.64,148.5) 101.37,147.23 v1(101.12,147.23) 100.61,146.73 v1(99.47,146.73) v1(97.43,146.73) v1(95.4,146.73) v1(93.37,146.73) v1(91.34,146.73) v1(89.31,146.73) v1(87.27,146.73) v1(85.24,146.73) v1(83.21,146.73) v1(81.18,146.73) v1(79.15,146.73) v1(77.88,148) 76.48,149.39 v1(76.48,149.9) 75.97,150.41 v1(75.97,152.16) v1(75.97,154.19) v1(75.97,156.23) v1(75.97,158.26) v1(75.97,160.29) v1(75.97,162.32) v1(75.97,164.35) v1(75.97,166.39) v1(75.97,168.42) v1(75.97,170.45) 75.97,171.66 SMTSO1.1
  BOTTOM w0.086: v1(88.84,78.5) v1(89.49,78.5)
  BOTTOM w0.089: v1(102.49,77.2) 102.4,77.2 102.09,77.51 101.99,77.51 101.98,77.53 101.71,77.53 101.69,77.51 101.52,77.51 ; v1(105.09,79.8) 105.09,79.73 105.66,79.15 v1(105.74,79.15) ; v1(105.74,81.75) 105.64,81.75 105.31,82.08 104.77,82.08 v1(104.44,82.4) ; v1(88.84,77.85) 88.79,77.91 87.83,77.91 86.54,76.62 ; C1512.2 99.09,95.09 99.09,95.8 98.83,96.05 ; v1(99.24,77.85) v1(99.24,77.2) 98.91,76.87 98.91,75.45 99.11,75.25 v1(99.24,75.25) ; 101.52,77.51 101.52,78.18 v1(101.84,78.5) ; 101.52,77.51 101.5,77.51 v1(101.19,77.2) v1(101.84,76.55) ; v1(104.44,83.05) 104.77,82.73 105.28,82.73 105.47,82.54 105.61,82.54 v1(105.74,82.4) ; v1(108.99,96.05) 108.61,96.05 R1719.2 ; C1100.2 87.91,81.48 v1(88.19,81.75) ; v1(103.79,81.1) 103.79,80.96 C1206.2 ; v1(97.94,75.25) v1(97.94,75.9) v1(97.94,76.55) 97.62,76.88 97.43,76.88 97.43,76.88 97.16,76.88 97.16,76.88 96.98,76.88 96.98,76.7 96.97,76.69 96.97,76.36 96.64,76.03 v1(96.64,75.25) ; v1(100.54,75.9) 100.54,75.98 100.03,76.49 99.95,76.49 v1(99.89,76.55) ; C3833.2 115.98,77.89 115.73,77.64 C3839.2 ; v1(88.84,75.9) 88.98,75.77 88.98,74.92 89.22,74.68 89.22,73.62 ; v1(102.49,79.15) 102.31,78.97 C1201.2 102.03,78.97 v1(101.84,79.15) 101.7,79.15 C1208.2 101.33,79.15 v1(101.19,79.15) 101.01,78.97 C1205.2 100.68,79.15 v1(100.54,79.15) 100.4,79.15 C1204.2 100.03,79.15 v1(99.89,79.15) ; v1(105.09,76.55) 105.42,76.23 106.72,76.23 v1(107.69,75.25) ; v1(89.49,75.25) 89.82,74.93 89.82,73.77 ; 97.84,86.3 v1(97.94,86.3) ; v1(91.44,85) 91.27,85.18 C1300.2 ; v1(103.79,77.85) 103.95,77.85 104.27,77.53 104.65,77.53 104.98,77.2 v1(105.09,77.2) ; v1(92.09,79.15) 92.44,78.81 92.45,78.81 92.49,78.78 C1814.2 92.5,78.77 92.5,78.15 C1802.2 ; v1(95.34,87.6) v1(95.99,87.6) ; C1029.2 93.5,84.46 v1(93.39,84.35) ; v1(90.14,81.1) 89.6,80.56 C1810.2 89.34,80.69 87.4,80.69 87.31,80.78 84.85,80.78 84.43,80.36 ; C1215.2 101.81,82.4 v1(102.49,82.4) ; C1806.2 91.44,79.15 v1(91.44,79.15) 91.77,79.48 91.77,80.16 C1818.2 ; 85.5,88.18 86.03,88.18 v1(86.04,88.19) ; v1(94.69,87.6) v1(94.04,87.6) ; v1(105.74,77.2) 105.74,77.01 106.07,76.69 106.07,75.58 v1(106.39,75.25) ; 84.43,80.36 84.38,80.3 ; 84.43,80.36 84.35,80.43 ; C1907.2 96.96,78.83 v1(97.29,78.5) 96.99,78.2 C1502.2
  BOTTOM w0.102: v1(44.35,40.3) 44.35,40.55 44.86,41.06 46.89,41.06 v1(47.14,41.32) ; v1(101.39,65.59) 101.39,65.44 100.81,64.86 v1(100.81,64.73) 100.81,64.48 v1(101.36,63.93) 100.9,63.46 100.63,63.46 100.32,63.15 v1(100.12,63.15)